# Altium PCB PCB1.PcbDoc
Units mil, origin at the board's own origin, x right, y up, seen from the top; angles counter-clockwise.
Board outline 2135.03 x 1285.03 mil, 2 copper layers (Top Layer, Bottom Layer); 58 components, 40 nets, 208 pads, 81 vias.
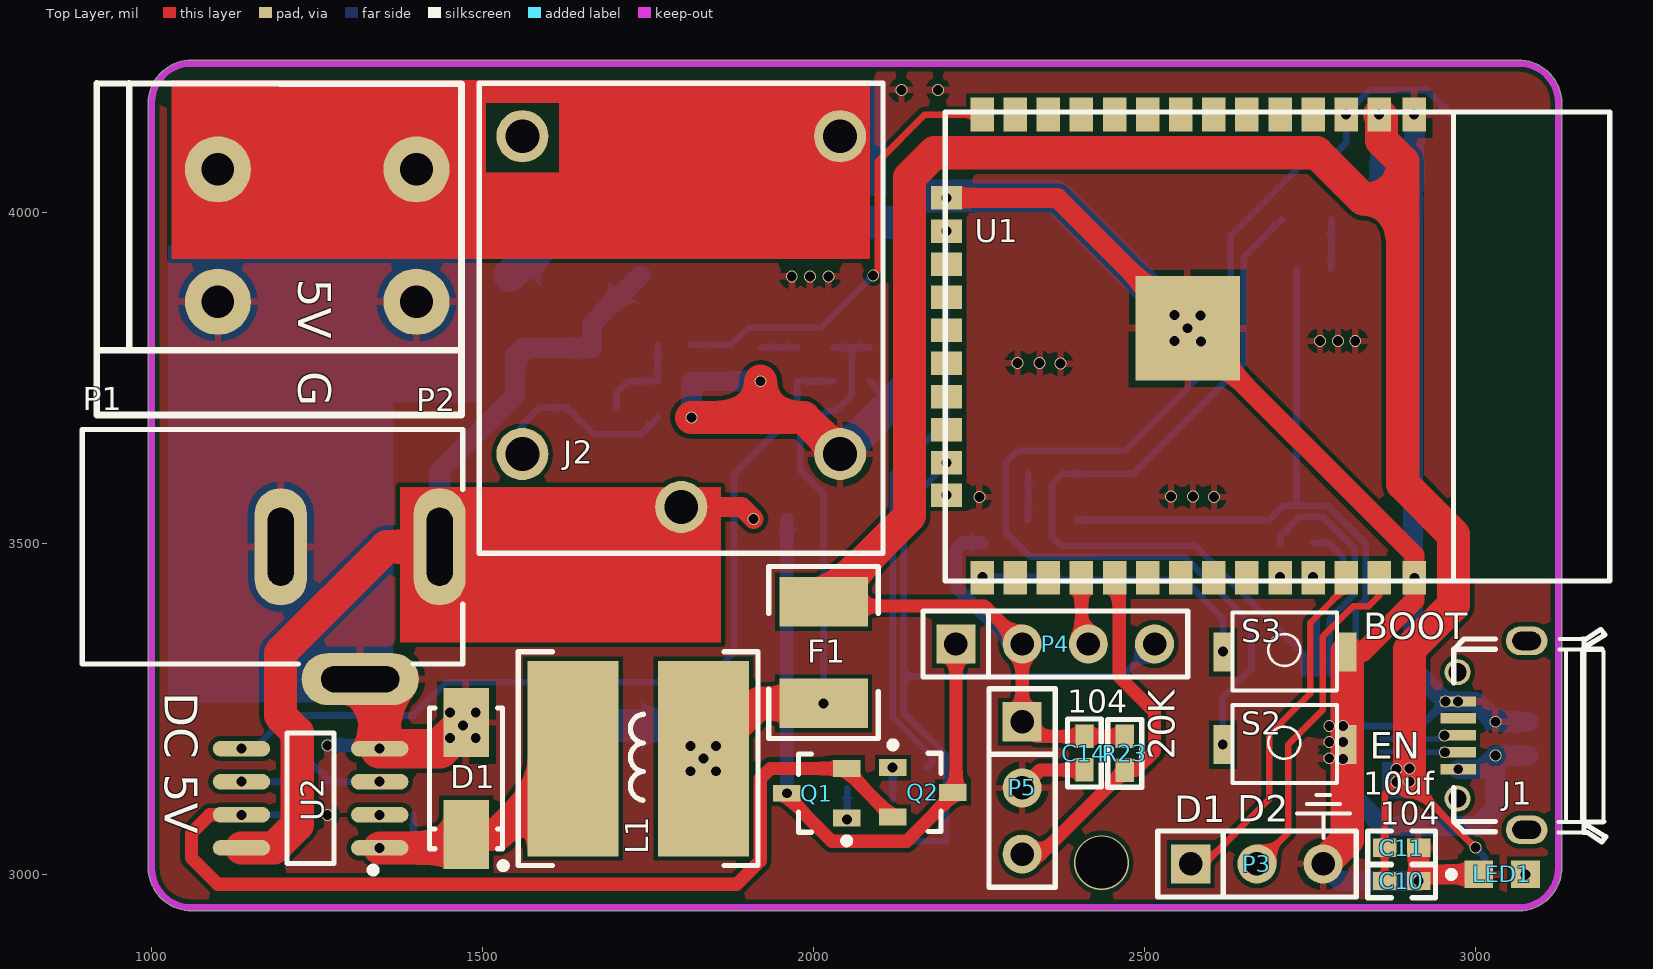
[diagram p0: Top Layer view]
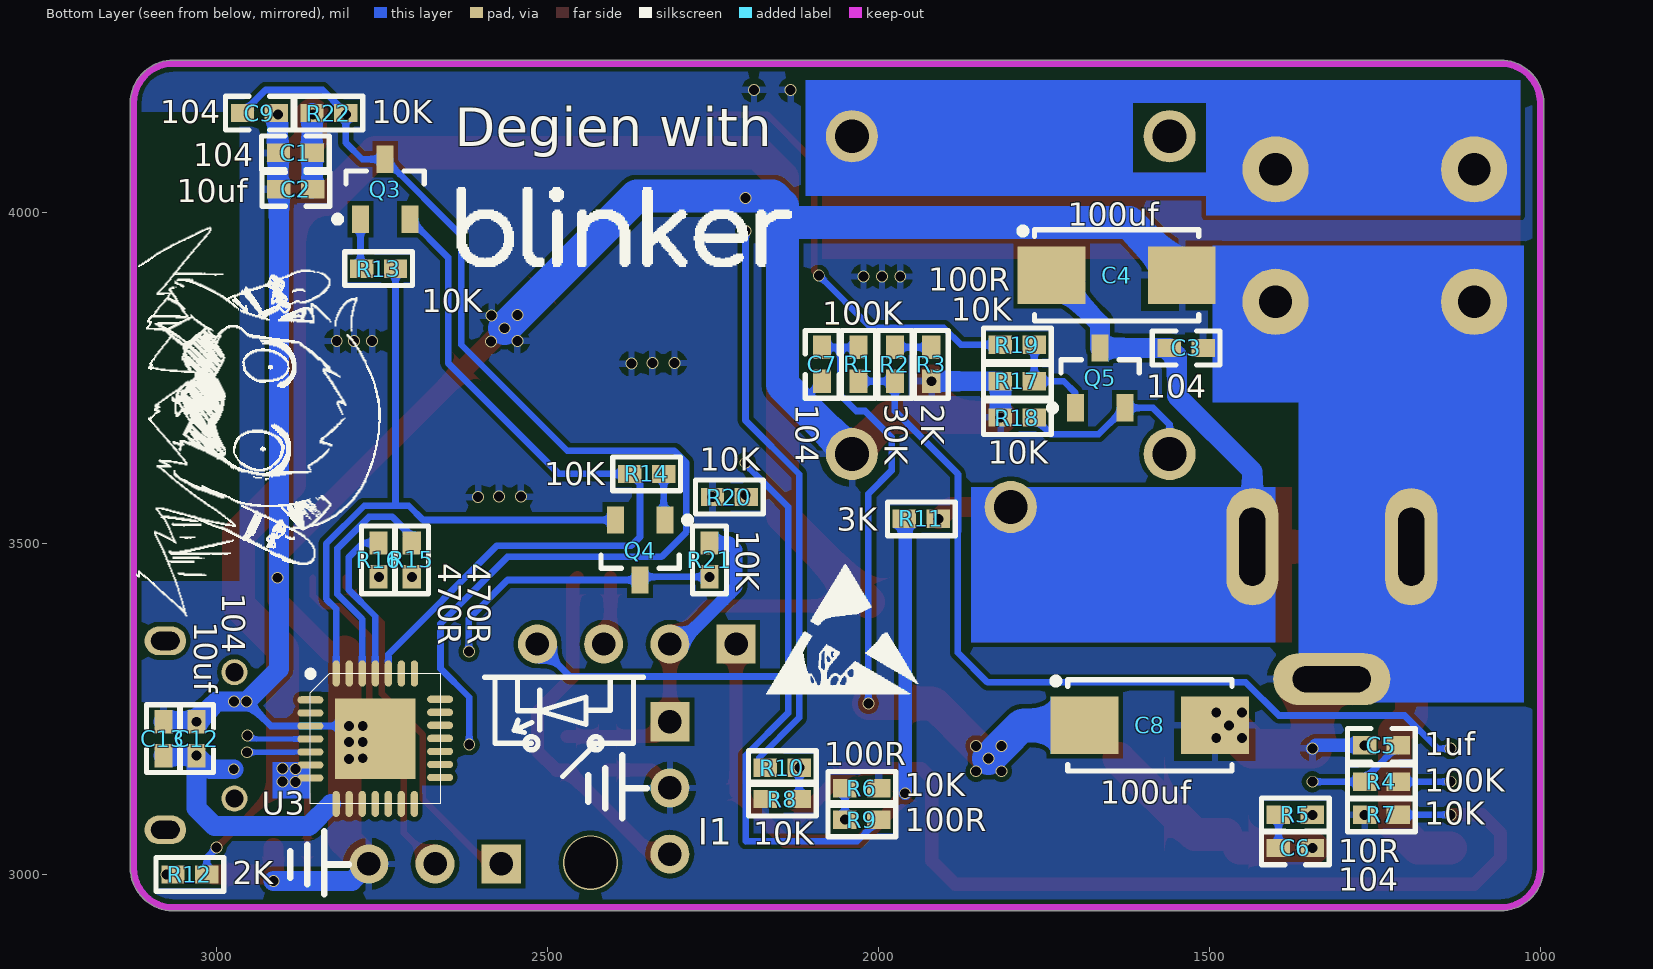
[diagram p1: Bottom Layer view, seen from below]
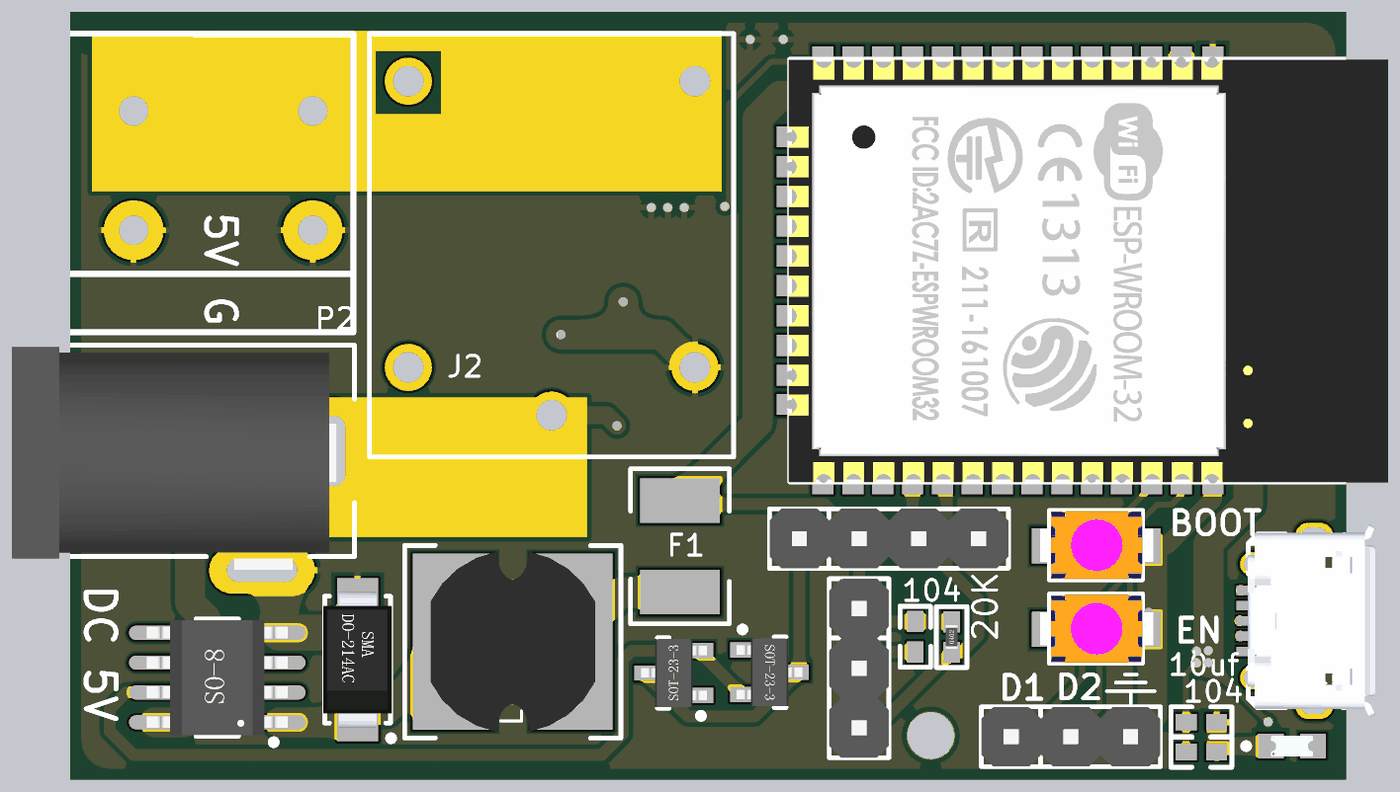
[diagram p2: 3D render of the assembled board from above, using the file's embedded part models]
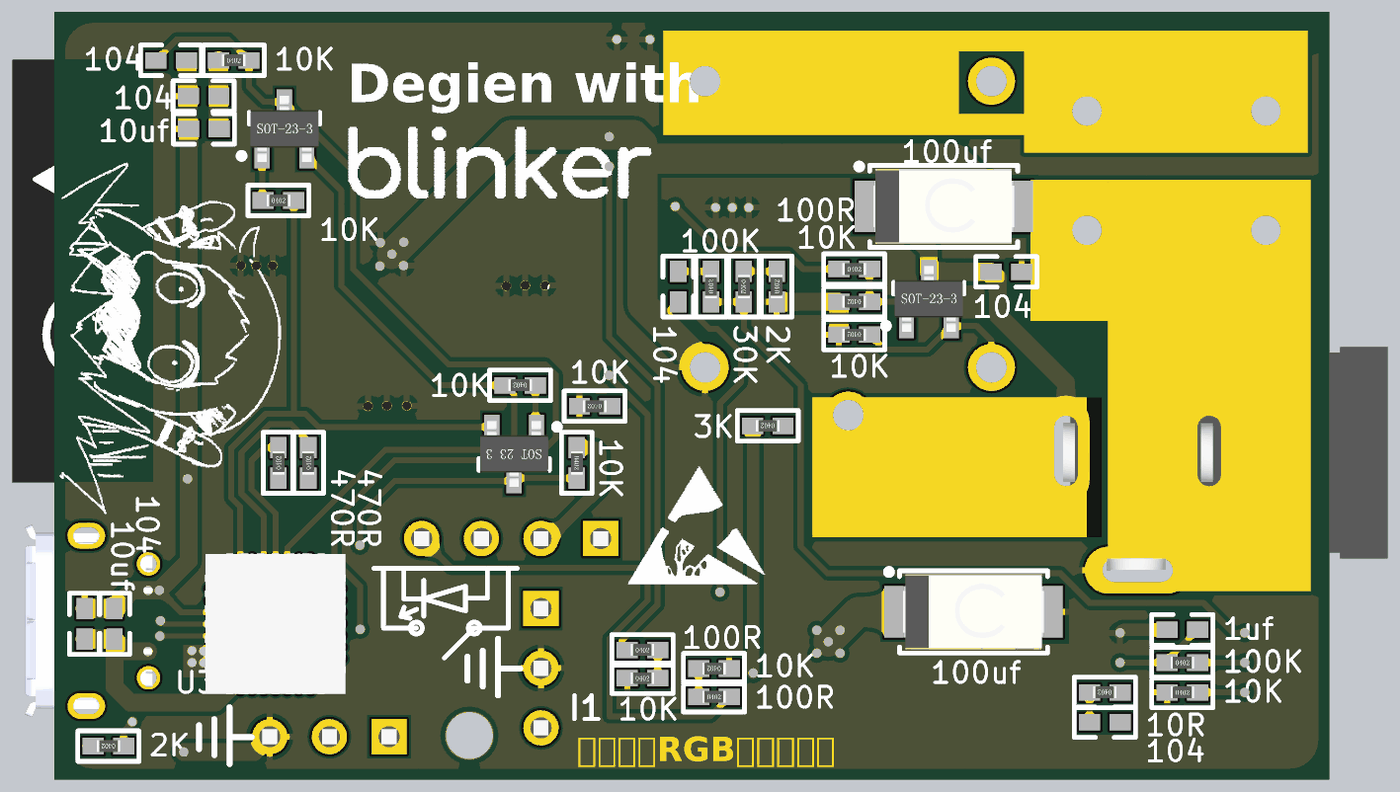
[diagram p3: 3D render of the assembled board from below, using the file's embedded part models]

## Layer stack, top to bottom
Top Solder: solder mask 0.4, Solder Resist, Dk 3.5
Top Layer: signal copper 1.4
Dielectric 1: dielectric 12.6, FR-4, Dk 4.8
Bottom Layer: signal copper 1.4
Bottom Solder: solder mask 0.4, Solder Resist, Dk 3.5

## Board outline
1060,2944.99 cw(c1060,3010) 994.99,3010 994.99,4165 cw(c1060,4165) 1060,4230.02 3065,4230.02 cw(c3065,4165) 3130.01,4165 3130.01,3005 cw(c3125,3005) 3129.65,3003.12 cw(c3065,3010) 3071.88,2945.35 cw(c3070,2950) 3070,2944.99

## Design rules (kind name [scope] priority, off if disabled: settings)
Clearance [All] p1: gap=7 ignorepadtopadclearanceinfootprint=FALSE
DiffPairsRouting [All] p1: maxlimit=10 minlimit=8 mostfreqgap=10 toplayer_minwidth=8 toplayer_maxwidth=15 toplayer_prefwidth=15 bottomlayer_minwidth=8 bottomlayer_maxwidth=15 bottomlayer_prefwidth=15 maxuncoupledlength=500
HoleSize [All] p1: absolutevalues=TRUE maxlimit=500 minlimit=1 maxpercent=80.000 minpercent=20.000
HoleToHoleClearance [All] p1: gap=0 allowstackedmicrovias=TRUE
MinimumSolderMaskSliver [All] p1: minsoldermaskwidth=0
PolygonConnect [All] p1: connectstyle=Relief reliefconductorwidth=10 reliefentries=4 polygonreliefangle="90 Angle" airgapwidth=10
RoutingVias [All] p1: holewidth=28 width=50 viastyle="Through Hole" minholewidth=28 minwidth=50 maxholewidth=28 maxwidth=50
SilkToSilkClearance [All] p1: silktosilkclearance=0
SilkToSolderMaskClearance [IsPad] p1: minsilkscreentomaskgap=0 clearancetoexposedcopper=TRUE
SolderMaskExpansion [All] p1: expansion=4
Width POWER [InNet('GND') Or InNet('5V_LED') Or InNet('5V_IN')] p1: maxlimit=250 minlimit=10 preferedwidth=30
Width [All] p2: maxlimit=400 minlimit=8 preferedwidth=10
24 further rules are at their usual default settings.

## Classes and differential pairs
differential pair D: +D_P -D_N

## Components (designator, comment, footprint, x,y, rotation, side; value= is the part's Value field where it differs from the comment)
C1 "104" CAPC1005[0402]S 2880.59,4090 r180 bottom
C2 "10uf" CAPC1005[0402]S 2880,4035 r180 bottom
C3 "104" CAPC1005[0402]S 1535,3795.28 r180 bottom
C4 "100uf" CAPT6032 1640,3905 r180 bottom
C5 "1uf" CAPC1005[0402]S 1240,3195 r0 bottom
C6 "104" CAPC1005[0402]S 1370,3040 r180 bottom
C7 "104" CAPC1005[0402]S 2085,3770.59 r270 bottom
C8 "100uf" CAPT6032 1590,3225.13 r180 bottom
C9 "104" CAPC1005[0402]S 2935,4150 r0 bottom
C10 "104" CAPC1005[0402]S 2888.23,2990.15 r180 top
C11 "10uf" CAPC1005[0402]S 2888.23,3040.15 r180 top
C12 "104" CAPC1005[0402]S 3030,3205 r270 bottom
C13 "10uf" CAPC1005[0402]S 3080,3205 r270 bottom
C14 "104" CAPC1005[0402]S 2409,3183.35 r270 top
D1 "SS54" SMA[DO-214AC] 1475,3145 r270 top
F1 "=Current" CAPC4532[1812]S 2015,3335 r270 top
J1 "USB_M" "1__Micro USB 牛角" 3025,3210 r270 top
J2 "RELAY" RELAY-HK3FF 1800,3555 r180 top
L1 "4.7UH" CD75 1735,3175 r180 top
LED1 "Red" LEDC1608(0603) 3040,3000 r0 top
P1 "Header 2" DC-5.5mm 1470,3495 r180 top
P2 "Header 2" KF142R_2P 1400,4065 r270 top
P3 "Header 3" HDR1X3 2569.68,3015.74 r0 top
P4 "Header 4" HDR1X4 2215,3348 r0 top
P5 "Header 3" HDR1X3 2315,3230.59 r270 top
Q1 "SS8050" SOT23 2004.72,3122.6 r180 top
Q2 "SS8050" SOT23 2165,3123.82 r0 top
Q3 "SS8050" SOT23 2745,4035 r90 bottom
Q4 "SS8050" SOT23 2360,3490 r270 bottom
Q5 "SS8050" SOT23 1665,3750 r90 bottom
R1 "100K" RESC1005[0402]S 2030,3770.59 r90 bottom
R2 "30K" RESC1005[0402]S 1975,3770.59 r270 bottom
R3 "2K" RESC1005[0402]S 1920,3770.59 r90 bottom
R4 "100K" RESC1005[0402]S 1240,3140 r180 bottom
R5 "10R" RESC1005[0402]S 1370,3090 r0 bottom
R6 "10K" RESC1005[0402]S 2025,3130 r0 bottom
R7 "10K" RESC1005[0402]S 1240,3090 r180 bottom
R8 "10K" RESC1005[0402]S 2145,3113.82 r180 bottom
R9 "100R" RESC1005[0402]S 2025,3082.6 r180 bottom
R10 "100R" RESC1005[0402]S 2145,3161.22 r180 bottom
R11 "3K" RESC1005[0402]S 1935,3537.09 r0 bottom
R12 "2K" RESC1005[0402]S 3039.99,3000 r0 bottom
R13 "10K" RESC1005[0402]S 2755,3915 r180 bottom
R14 "10K" RESC1005[0402]S 2350,3605 r0 bottom
R15 "470R" RESC1005[0402]S 2705,3475 r90 bottom
R16 "470R" RESC1005[0402]S 2755,3475 r90 bottom
R17 "10K" RESC1005[0402]S 1790,3745 r0 bottom
R18 "10K" RESC1005[0402]S 1790,3690 r0 bottom
R19 "100R" RESC1005[0402]S 1790,3800 r180 bottom
R20 "10K" RESC1005[0402]S 2225,3570 r0 bottom
R21 "10K" RESC1005[0402]S 2255,3475 r270 bottom
R22 "10K" RESC1005[0402]S 2830,4150 r180 bottom
R23 "20K" RESC1005[0402]S 2470,3182.87 r90 top
S2 "SW-PB" button 2633.05,3255.92 r0 top
S3 "SW-PB" button 2633.05,3395.92 r0 top
U1 "ESP_WROOM_32" ESP32 2198.86,4151.77 r270 top
U2 "MP2482" SOIC-8 1240,3115 r180 top
U3 "CP2102" QFN_28 2760,3205 r180 bottom

## Footprints (in the part's own frame and the unit in brackets; to place one, negate y for a bottom-side part, rotate by r counter-clockwise, add the part's x,y. Pads: shape width x height; smd on the part's side, far side on the other; paste and mask are expansions set on the pad)
"1__Micro USB 牛角" [mm]
  oval 1.1x1.6 hole 0.7 slot 1.1 at 90 deg: 0(-3.625,1.325) 0(3.625,1.325)
  round 1 hole 0.7: 0(-2.425,-1.325) 0(2.425,-1.325)
  rect 0.4x1.35 smd: 1(1.3,-1.3) 2(0.65,-1.3) 3(0,-1.3) 4(-0.65,-1.3) 5(-1.3,-1.3)
  silkscreen extent -4.06,-1.48 4.09,4.36, body extent -4.1,-1.51 4.1,3.92, height 2.62
button [mil]
  rect 27.56x59.06 smd: 1(-15,-60) 2(173,-60)
  silkscreen extent 0,-118 157,0, body extent -14,-116 174,-2, height 83
CAPC1005[0402]S [mm] "Chip Capacitor,Silkscreen border, 2-Leads, Body 1.00x0.50mm, IPC Medium Density"
  rect 0.9x0.7 smd: 1(-0.65,0) 2(0.65,0)
  silkscreen extent -1.3,-0.65 1.3,0.65, body extent -0.55,-0.3 0.55,0.3, height 0.6
CAPC4532[1812]S [mm] "Chip Capacitor, Silkscreen Border,2-Leads, Body 4.50x3.20mm, IPC Medium Density"
  rect 1.9x3.4 smd: 1(-1.95,0) 2(1.95,0)
  silkscreen extent -3.3,-2.1 3.3,2.1, body extent -2.4,-1.7 2.4,1.7, height 1.35
CAPT6032 [mm] "Molded Tantalum Capacitor, 2-Leads, Body 6.00x3.20mm, IPC Medium Density"
  rect 2.6x2.2 smd: 1(-2.5,0) 2(2.5,0)
  silkscreen extent -3.73,-1.75 3.15,1.82, body extent -3,-1.6 3,1.6, height 2.6
CD75 [mm]
  rect 3.5x7.5 smd: 1(-2.5,0) 2(2.5,0)
  silkscreen extent -4.6,-4.1 4.6,4.1, body extent -3.5,-3.84 3.5,3.84, height 6.3
DC-5.5mm [mm] "DC母座5.5mm"
  oval 2x4.5 hole 1 slot 3 at 90 deg: 1(0.889,0) 2(6.985,0)
  oval 4.5x2 hole 1 slot 3 at 0 deg: 3(3.937,5.08)
  silkscreen extent 0,-4.5 14.6,4.5, body extent 0.76,-4.42 14.59,5.08, height 11
ESP32 [mm]
  rect 1.3x0.9 smd: 1(0.102,18) 2(0.102,16.655) 3(0.102,15.385) 4(0.102,14.115) 5(0.102,12.845) 6(0.102,11.575) 7(0.102,10.305) 8(0.102,9.035) 9(0.102,7.765) 10(0.102,6.495) 11(0.102,5.225) 12(0.102,3.955) 13(0.102,2.685) 14(0.102,1.415) 25(17.873,1.415) 26(17.873,2.685) 27(17.873,3.955) 28(17.873,5.225) 29(17.873,6.495) 30(17.873,7.765) 31(17.873,9.035) 32(17.873,10.305) 33(17.873,11.575) 34(17.873,12.845) 35(17.873,14.115) 36(17.873,15.385) 37(17.873,16.655) 38(17.873,18)
  rect 0.9x1.2 smd: 15(3.3,0.045) 16(4.57,0.045) 17(5.84,0.045) 18(7.11,0.045) 19(8.38,0.045) 20(9.65,0.045) 21(10.92,0.045) 22(12.19,0.045) 23(13.46,0.045) 24(14.7,0.045)
  rect 4x4 smd: 39(8.3,9.3)
  silkscreen extent 0,0 18,25.5, body extent 0.02,-0.05 18.02,25.45, height 2.91
HDR1X3 [mm] "Connector; Header; 3 Position"
  rect 1.5x1.5 hole 0.9: 1(0,0)
  round 1.5 hole 0.9: 2(2.54,0) 3(5.08,0)
  silkscreen extent -1.27,-1.27 6.35,1.27, body extent -1.27,-1.27 6.35,1.27, height 8.54
HDR1X4 [mm] "Connector; Header; 4 Position"
  rect 1.5x1.5 hole 0.9: 1(0,0)
  round 1.5 hole 0.9: 2(2.54,0) 3(5.08,0) 4(7.62,0)
  silkscreen extent -1.27,-1.27 8.89,1.27, body extent -1.27,-1.27 8.89,1.27, height 8.54
KF142R_2P [mil]
  round 100 hole 49.37: 1(0,0) 1(0,-300) 2(200,0) 2(200,-300)
  silkscreen extent -130,-483 371,68, body extent -129,-483 371,69, height 394
LEDC1608(0603) [mm] "LED,Chip;1.60mm L X 0.80mm W X 0.80mm H"
  rect 1.1x1.05 smd: A(0.9,0) C(-0.9,0)
  silkscreen extent -2.07,-0.12 -1.83,0.12, body extent -0.9,-0.45 0.9,0.45, height 0.8
QFN_28 [mm] "CP2102"
  oval 1x0.28 smd: 1(-2.489,1.489) 2(-2.489,0.989) 3(-2.489,0.489) 4(-2.489,-0.011) 5(-2.489,-0.511) 6(-2.489,-1.011) 7(-2.489,-1.511) 15(2.489,-1.489) 16(2.489,-0.989) 17(2.489,-0.489) 18(2.489,0.011) 19(2.489,0.511) 20(2.489,1.011) 21(2.489,1.511)
  rect 3.1x3.1 smd: 3(0,0)
  oval 0.28x1 smd: 8(-1.501,-2.502) 9(-1.001,-2.502) 10(-0.501,-2.502) 11(-0.001,-2.502) 12(0.499,-2.502) 13(0.999,-2.502) 14(1.499,-2.502) 22(1.501,2.502) 23(1.001,2.502) 24(0.501,2.502) 25(0.001,2.502) 26(-0.499,2.502) 27(-0.999,2.502) 28(-1.499,2.502)
  silkscreen extent -2.6,-2.5 2.5,2.6, body extent -3,-3 3,3, height 1.02
RELAY-HK3FF [mm] "继电器"
  round 2 hole 1.3: 1(-6.096,-2.032) 2(-6.096,-14.224) 3(6.096,-14.224) 4(6.096,-2.032) 5(0,0)
  silkscreen extent -7.75,-16.26 7.75,1.78, body extent -7.75,-16.26 7.75,1.78, height 12
RESC1005[0402]S [mm] "Silkscreen Outside, Chip Resistor, 2-Leads, Body 1.05x0.54mm, IPC Medium Density"
  rect 0.9x0.7 smd: 1(-0.65,0) 2(0.65,0)
  silkscreen extent -1.3,-0.65 1.3,0.65, body extent -0.5,-0.25 0.5,0.25, height 0.35
SMA[DO-214AC] [mm] "Molded Diode, 2-Leads, Body 5.00x2.49mm, IPC Medium Density"
  rect 2.65x1.75 smd: A(-2.15,0) K(2.15,0)
  silkscreen extent -2.7,-1.4 3.47,1.55, body extent -2.9,-1.46 2.91,1.46, height 2.3
SOIC-8 [mm]
  oval 2.2x0.6 smd: 1(-2.654,1.905) 2(-2.654,0.635) 3(-2.654,-0.635) 4(-2.654,-1.905) 5(2.654,-1.905) 6(2.654,-0.635) 7(2.654,0.635) 8(2.654,1.905)
  silkscreen extent -2.53,-2.5 0.9,2.88, body extent -3,-2.45 3,2.45, height 1.7
SOT23 [mm] "SOT23, 3-Leads, Body 2.90x2.40mm, Pitch 0.95mm, IPC Medium Density"
  rect 1.05x0.65 smd: 1(-1.15,0.95) 2(-1.15,-0.95) 3(1.15,0)
  silkscreen extent -1.28,-1.5 0.7,1.95, body extent -1.4,-1.45 1.4,1.45, height 1.2

## Part data
C1 C2 C3 C5 C6 C7 C9 C10 C11 C12 C13 C14: library part "Cap Chip 2", "Chip Capacitor, Silkscreen Border", Tolerance=Y5V, Voltage=63V, Price(RMB)=0.000, Published=8-Jun-2000, Publisher="Altium Limited", Revision="July-2002: Re-released for DXP Platform."
C4 C8: library part "Cap Tan", "Molded (Tantalum) Capacitor, 2-Leads,", Voltage=16V, Price(RMB)=0.000, Published=8-Jun-2000, Publisher="Altium Limited", Revision="July-2002: Re-released for DXP Platform."
D1: library part "Diode TVS Uni-Dir", "TRANSIENT VOLTAGE  SUPPRESSOR DIODE", Imax=500mA, PartNumber=SS54, Price(RMB)=0.000, Published=8-Jun-2000, Publisher="Altium Limited"
F1: library part "Fuse Chip", "Fuse", Voltage=6V, Imax=3A, Price(RMB)=0.000, Published=8-Jun-2000, Publisher="Altium Limited", Revision="July-2002: Re-released for DXP Platform."
J1: "MicroUSB接口"
J2: library part RELAY-HK3FF, "单刀双掷继电器"
L1: library part "Ind Power", "Power Inductor, Ferrite-Core", DCR=.5m, Imax=50mA, Price(RMB)=0.000, Published=8-Jun-2000, Publisher="Altium Limited", Revision="July-2002: Re-released for DXP Platform."
LED1: library part "LED Chip", "Typical Chip LED", Color=Red, Price(RMB)=0.00, Published=8-Jun-2000, Publisher="Altium Limited", Revision="July-2002: Re-released for DXP Platform."
P1 P2: "Header, 2-Pin", LatestRevisionDate=17-Jul-2002, LatestRevisionNote="Re-released for DXP Platform.", Price(RMB)=0.00, Publisher="Altium Limited"
P3 P5: "Header, 3-Pin", LatestRevisionDate=17-Jul-2002, LatestRevisionNote="Re-released for DXP Platform.", Price(RMB)=0.00, Publisher="Altium Limited"
P4: "Header, 4-Pin", LatestRevisionDate=17-Jul-2002, LatestRevisionNote="Re-released for DXP Platform.", Price(RMB)=0.00, Publisher="Altium Limited"
Q1 Q2 Q3 Q4 Q5: library part "NPN SMC SOT-23", "NPN Bipolar Transistor", PartNumber=SS8050, Price(RMB)=0.000, Published=8-Jun-2000, Publisher="Altium Limited", Revision="July-2002: Re-released for DXP Platform."
R1 R2 R3 R4 R5 R6 R7 R8 R9 R10 R11 R12 R13 R14 R15 R16 R17 R18 R19 R20 R21 R22 R23: library part "Res Chip 2p 2", "Chip Resistor, Border Silkscreen On PCB Library", Tolerance=5%, Price(RMB)=0.000, Published=8-Jun-2000, Publisher="Altium Limited", Revision="July-2002: Re-released for DXP Platform."
S2 S3: "Switch", Price(RMB)=0.000, Published=24-Mar-1999, Publisher="Altium Limited", Revision="July-2002: Re-released for DXP Platform."

## Via types
v1: diameter 18, hole 15, Top Layer to Bottom Layer, tented both sides, 80 vias
v2: diameter 82.68, hole 78.74, Top Layer to Bottom Layer, tented both sides, 1 vias

## Nets (pads, with @x,y where several pads share a name; then routed paths per layer and width w, separated by ;. In a path a pad name is that pad's centre, name@x,y a point inside that pad or via, vN(x,y) a via of type N, cw(c..) or ccw(c..) an arc to the next point about the centre after c; other vN are vias at no path point)
3V3: C1.2 C2.2 C10.2 C11.2 C14.1 F1.1 P4.2 P5.1 R12.1 R21.1 R22.1 R23.2 U1.2 U3.6 U3.7 | length 3874.2
  Top Layer w10: C10.2 C11.2 2862.63,3121.82 v1(2880.37,3139.56) ; v1(2900,3140) 2999.33,3040.67 v1(3000,3040.67)
  Top Layer w20: F1.1 2015,3405.52 2257.48,3405.52 P4.2 P5.1 2337.13,3208.46 R23.2
  Top Layer w50: F1.1 2145.02,3541.79 2145.02,4052.82 2182.38,4090.18 2760,4090.18 2830.18,4020 2890,4020 ; U1.2 2857.8,4144.54 2857.8,4108.93 2890,4076.73 2890,4020 ; v1(2900,3140) 2900,3340 2966.57,3406.57 2966.57,3513.43 2890,3590 2890,4020
  Bottom Layer w10: C2.2 C2.2@2855.59,4036.18 ; v1(3000,3040.67) 3000,3040 3014.4,3025.6 R12.1
  Bottom Layer w20: R21.1 2225.09,3500.59 2215,3490.5 2215,3434.21 2224.22,3424.99 2224.22,3424.65 2234.18,3414.69 2234.52,3414.69 2301.21,3348 P4.2
  Bottom Layer w30: C2.2@2855.59,4036.18 R22.1
  other v1: 2880.37,3159.24 2900.06,3160.13 2854.26,4147.77
5V_IN: C3.1 C4.1 J2.5 P1.1 Q5.3 R11.1 U2.8 | length 1389.8
  Top Layer w30: J2.5 1891.5,3555 v1(1909.41,3537.09)
  Top Layer w50: U2.8 1185,3040 1220,3075 1220,3214.27 1194.42,3239.85 1194.42,3334.42 1355,3495 P1.1
  Bottom Layer w30: P1.1 1435,3608.89 1549.13,3723.01 1549.13,3783.81 C3.1 Q5.3 1665,3831.57 C4.1
5V_LED: J2.2 P2.1
5V_USB: C12.2 C13.2 J1.1 U3.8 | length 422.4
  Bottom Layer w30: 2826.94,3106.5 2860.59,3072.84 3002.84,3072.84 3030,3100 v1(3030,3179.41) ; v1(2973.82,3158.82) 3009.41,3158.82 v1(3030,3179.41) ; C13.2 v1(3030,3179.41)
D_N: J1.2 U3.5 | length 96
  Bottom Layer w8: U3.5 2881.68,3184.87 2881.81,3185 2882.26,3184.56 v1(2953.8,3184.56)
D_P: J1.3 U3.4 | length 97
  Bottom Layer w8: U3.4 2947.27,3204.56 v1(2952.72,3210)
DTR: Q4.2 R13.2 U3.28 | length 1030.9
  Bottom Layer w10: Q4.2 2687.79,3535.28 2709.51,3557 2727.09,3557 ; R13.2 2729.41,3559.32 2727.09,3557 ; U3.28 2819,3400.92 2834.28,3416.19 2834.28,3499.45 2776.72,3557 2727.09,3557
EN: C9.2 Q3.3 R22.2 S2.1 U1.3 | length 1775.5
  Bottom Layer w10: v1(2618.05,3195.92) 2618.05,3267.49 2661.4,3310.84 2661.4,3378.6 2560.35,3479.65 2327.79,3479.65 2290,3517.44 2290,3621.85 2308.15,3640 2470,3640 2630,3800 2630,3965.28 Q3.3 2779.69,4080.28 2804.41,4105 R22.2 2839.41,4185 2925.59,4185 C9.2
  other v1: 2804.26,4147.77
GND: C1.1 C2.1 C3.2 C4.2 C5.2 C7.2 C8.2 C9.1 C10.1 C11.1 C12.1 C13.1 C14.2 D1.A J1.5 J2.1 LED1.C P1.2 P1.3 P2.2 P3.3 P5.2 R3.1 R6.1 R7.1 R8.1 R17.2 R18.2 R20.2 S2.2 S3.2 U1.1 U1.15 U1.38 U1.39 U2.4 U3.3 | length 5526.1
  Top Layer w20: P5.2 2342.17,3157.76 C14.2
  Top Layer w30: v1(2200.64,4021.85) 2368.15,4021.85 v1(2565,3825) 2907.52,3482.48 v1(2907.52,3448.11) 2907.52,3413.99 2829.45,3335.92 S3.2 ; C11.1 v1(2913.82,2990.15) 2923.66,3000 LED1.C
  Top Layer w50: P1.3 P1.3@1344.49,3265.51 ; v1(1815.59,3690) 1920,3690 ; v1(1920,3745) 1920,3690 ; J2.1 1985,3690 1920,3690 ; P3.3 2806.05,3052.11 S2.2 S3.2
  Top Layer w60: P1.3@1344.49,3265.51 v1(1344.49,3190) 1435.35,3190 v1(1470.35,3225) D1.A
  Bottom Layer w10: C7.2 2117.2,3712.8 2117.8,3712.8 ; U3.3@2779.24,3224.24 2858,3224.24 2917.74,3224.24 v1(2954.69,3261.18)
  Bottom Layer w20: v1(1265.59,3195) 1339.49,3195 v1(1344.49,3190)
  Bottom Layer w30: v1(1815.59,3690) R17.2 v1(1920,3745) ; P3.3 2795.27,2990.15 v1(2913.82,2990.15) ; v1(2907.2,4147.77) 2907.2,4036.61 C2.1 2905.59,3310.28 v1(2954.69,3261.18) v1(2973.5,3261.18) 2999.41,3261.18 v1(3030,3230.59) C13.1
  Bottom Layer w50: C4.2 1621.57,3985 2145.02,3985 ; J2.1 2117.8,3712.8 2145.02,3740.02 2145.02,3985 ; v1(2565,3825) 2365,4025 2159.82,4025 2145.02,4010.2 2145.02,3985
  other v1: 1265.59,3090 2778.93,3175.44 2800,3174.56 2778.93,3200 2800,3200 1450.72,3205.76 1489.59,3205.76 2778.93,3224.24 2800,3224.24 1450.72,3244.24 1489.59,3244.24 2250.59,3570 2605,3569.93 2540,3570.86 2573.35,3570.86 2373.15,3771.47 2308.15,3772.4 2341.5,3772.4 2585,3805 2545.37,3805.76 2764.69,3805.76 2792.17,3805.76 2818.19,3805.76 2584.24,3844.24 2545,3845 1966.9,3903.19 1994.41,3903.19 2022.33,3903.19 2132.49,4185 2187.92,4185
IO0: Q4.3 R21.2 S3.1 U1.25 | length 439.1
  Bottom Layer w10: v1(2255,3449.41) 2355.31,3449.41 Q4.3 2560.05,3444.72 2618.56,3386.21 v1(2618.56,3336.83)
IO2: R20.1 U1.24
  other v1: 2200.64,3573.03
IO5: P5.3 R23.1 U1.29 | length 551.4
  Top Layer w20: P5.3 2343.31,3030.59 R23.1 2486.06,3157.28 2515,3186.22 2515,3245 2461.53,3298.47 2461.53,3441.16 U1.29
IO17: P4.3 U1.28 | length 104.4
  Top Layer w20: U1.28 2404.57,3358.43 P4.3
LED_DATA0: P3.1 U1.36 | length 541.7
  Top Layer w10: P3.1 2590.22,3015.74 2688.24,3113.77 2688.24,3211.13 2750.21,3273.1 2750.21,3380.21 2804.57,3434.57 U1.36
LED_DATA1: P3.2 U1.37 | length 522.6
  Top Layer w10: P3.2 2717.17,3063.23 2717.17,3196.69 2769.05,3248.57 2769.05,3359.2 2814.93,3405.07 2838.3,3405.07 2854.57,3421.35 U1.37
LED_POWER: R19.1 U1.14 | length 679.7
  Top Layer w10: v1(2090,3905) 2097,3912 2097,4077 2167.77,4147.77 U1.14
  Bottom Layer w10: R19.1 1875.35,3800 1901.25,3825.9 2010.9,3825.9 v1(2090,3905)
NetC6_1: C6.1 R5.2 | length 50
  Bottom Layer w10: C6.1 R5.2
NetC6_2: C6.2 D1.K L1.2 U2.1 | length 348
  Top Layer w10: D1.K@1454.65,3040 D1.K
  Top Layer w50: v1(1344.49,3040) D1.K@1454.65,3040 ; D1.K 1521.93,3060.35 L1.2
NetC7_1: C7.1 C8.1 F1.2 L1.1 R1.2 | length 1029.3
  Top Layer w50: v1(1833.43,3175) v1(1852.67,3194.24) 1916.65,3258.23 v1(2015,3258.23)
  Bottom Layer w10: v1(2015,3258.23) 2015,3575 1980,3610 1980,3660 2020,3700 2033.47,3700 2057.5,3724.03 2057.5,3796.18 ; R1.2 2057.5,3796.18 ; C7.1 2057.5,3796.18
  Bottom Layer w50: C8.1 1783.3,3225.13 1813.99,3194.44 v1(1833.43,3175)
  other v1: 1813.8,3155.76 1852.67,3155.76 1813.8,3194.24
NetJ2_4: J2.4 Q5.2 R18.1 | length 286.3
  Bottom Layer w10: J2.4 1560,3679.72 1585,3704.72 Q5.2 1667.32,3665 1739.41,3665 R18.1
NetLED1_A: LED1.A R12.2
  other v1: 3075.11,2999.99
NetP4_1: P4.1 Q1.3 Q2.3 R11.2 | length 956.3
  Top Layer w10: Q2.3@2210.28,3119.46 Q2.3@2215,3124.19
  Top Layer w20: v1(1959.45,3122.6) 1959.45,3118.24 2027.69,3050 2140.81,3050 Q2.3@2210.28,3119.46 ; Q2.3@2215,3124.19 P4.1
  Bottom Layer w20: v1(1959.45,3122.6) R11.2@1959.45,3536.14
NetQ1_1: Q1.1 R6.2 R9.1 | length 47.4
  Bottom Layer w10: v1(2050.59,3082.6) R6.2
NetQ2_1: Q2.1 R8.2 R10.2 | length 47.4
  Bottom Layer w10: R8.2 v1(2119.41,3161.22)
NetQ3_1: Q3.1 R13.1 | length 75.5
  Bottom Layer w10: R13.1 2782.4,3916.81 Q3.1
NetQ4_1: Q4.1 R14.1 | length 70.5
  Bottom Layer w10: Q4.1 2324.41,3537.09 R14.1
NetQ5_1: Q5.1 R17.1 R19.2 | length 147
  Bottom Layer w10: Q5.1 1702.4,3727.4 1720,3745 R17.1 R19.2
NetR1_1: R1.1 R2.2 U2.5 | length 1309.2
  Bottom Layer w10: v1(1135.51,3190) 1155,3190 1205,3240 1394.99,3240 1444.99,3290 1835,3290 1880,3335 1880,3518.03 1879.69,3518.34 1879.69,3604.69 1975,3700 R2.2 R1.1
NetR2_1: R2.1 R3.2 | length 55
  Bottom Layer w10: R3.2 R2.1
NetR4_2: R4.2 U2.6 | length 78.9
  Bottom Layer w10: v1(1135.51,3140) R4.2
NetR5_1: R5.1 U2.2
  other v1: 1344.49,3090
NetR15_2: R15.2 U3.26 | length 358.8
  Bottom Layer w10: R15.2 2705,3510.87 2734.13,3540 2769.68,3540 2817.28,3492.41 2817.28,3423.23 2779.63,3385.59 U3.26
NetR16_2: R16.2 U3.25 | length 246.3
  Bottom Layer w10: R16.2 2778.41,3500.59 2800.28,3478.72 2800.28,3430.28 2759.94,3389.94 U3.25
P_BTN: P4.4 R9.2 U1.23 | length 1238
  Bottom Layer w10: R9.2 2032.01,3050 2200,3050 2200.31,3050.31 2200.31,3179.97 2136.41,3243.87 2136.41,3299 ; v1(2200.64,3621.85) 2200.64,3619.7 2136.41,3555.47 2136.41,3299 ; P4.4 2466,3299 2136.41,3299
P_EN: Q1.2 Q2.2 R7.2 U2.7 | length 1457.3
  Top Layer w10: Q1.2@2050,3156.14 Q1.2
  Top Layer w20: v1(1135.51,3090) 1087.72,3090 1060,3062.28 1060,3025 1100,2985 1884,2985 1919.32,3020.32 1919.32,3144.32 1935,3160 Q1.2 ; Q1.2@2050,3156.14 Q2.2
  Bottom Layer w10: v1(1135.51,3090) R7.2
P_HOLD: R10.1 U1.16 | length 873.3
  Bottom Layer w10: R10.1 2180,3170.63 2180,3176.24 2119.41,3236.83 2119.41,3604.41 2200.64,3685.64 v1(2200.64,3971.85)
RTS: Q3.2 R14.2 U3.24 | length 1169.4
  Bottom Layer w10: Q3.2 2650,3932.13 2650,3772.4 2482.6,3605 R14.2 2360,3589.41 2360,3509.68 2373.03,3496.65 2576.15,3496.65 2740.26,3332.54 U3.24
RXD0: R15.1 U1.34
  other v1: 2704.69,3449.41
TXD0: R16.1 U1.35
  other v1: 2754.69,3449.41
VCC: C5.1 R4.1 U2.3 | length 155.1
  Bottom Layer w10: C5.1 1265.59,3143.82 R4.1 v1(1344.49,3140)
pads on no net: J1.0 J1.4 J2.3 U1.4 U1.5 U1.6 U1.7 U1.8 U1.9 U1.10 U1.11 U1.12 U1.13 U1.17 U1.18 U1.19 U1.20 U1.21 U1.22 U1.26 U1.27 U1.30 U1.31 U1.32 U1.33 U3.1 U3.2 U3.9 U3.10 U3.11 U3.12 U3.13 U3.14 U3.15 U3.16 U3.17 U3.18 U3.19 U3.20 U3.21 U3.22 U3.23 U3.27
copper on no net:
  other v2: 2435,3017.72

## Polygon pours and split planes (outlines as drawn)
GND on Top Layer (solid, remove dead copper, pour order 8): 3089.5,4225 3117.5,4197 3117.5,4187.5 3125,4180 3125,4151.77 2966.57,4151.77 2966.57,3443.11 3125,3443.11 3125,2988.23 3105,2968.23 3105,2965.74 3102.08,2965.74 3086.34,2950 1035,2950 1010,2975 1010,2980.15 1000,2990.15 1000,4189.77 1020,4209.77 1020,4210 1030,4220 1045,4220 1050,4225
no net on Top Layer "Top Layer-No Net" (solid, pour order 0): 1385,3659.08
GND on Bottom Layer (solid, remove dead copper, pour order 10): 3085,4225 3099,4211 3103.5,4211 3125,4189.5 3125,4151.77 2965,4151.77 2965,3443.11 3125,3443.11 3125,2988.23 3100,2963.23 3100,2958.66 3095,2958.66 3086.34,2950 1040,2950 1015,2975 1010,2975 1010,2980.15 1000,2990.15 1000,4189.77 1030.23,4220 1045,4220 1050,4225

## Keep-outs
Keep-Out Layer:
  lines w10: 3065,2950 ccw(c3065,3010) 3125,3010 ; 3070,2950 1060,2950 cw(c1060,3010) 1000,3010 1000,4165 cw(c1060,4165) 1060,4225 3065,4225 cw(c3065,4165) 3125,4165 3125,3005

## Other copper
Top Layer:
  rectangle net 5V_LED: 1490,4165 1630,4200
  rectangle net 5V_LED: 1495,3930 1625,4060
  rectangle net 5V_LED: 1030,3930 1505,4200
  rectangle net 5V_LED: 1615,3930 2085,4200
  rectangle net 5V_IN: 1375,3350 1860,3585
Bottom Layer:
  rectangle net 5V_IN: 1400,3350 1860,3585
  rectangle net 5V_LED: 1495,4025 1625,4060
  rectangle net 5V_LED: 1495,4165 1621.57,4200
  rectangle net 5V_LED: 1615,4025 2110,4200
  rectangle net 5V_LED: 1030,3995 1505,4200
  rectangle net 3V3: 2858.25,3115 2915,3170
  rectangle net GND: 1360,3712.8 1495,3950
  rectangle net GND: 1025,3260 1365,3950

## Silkscreen, mask and mechanical layers (free items; w line width, h text height)
Top Overlay:
  lines w6: 2730,3092.06 2810,3092.06 ; 2745,3106.6 2795,3106.6 ; 2760,3120 2780,3120 ; 2770,3054.74 2770,3091.79
  text "5V" at 1221.77,3900 h50 r270
  text "G" at 1221.77,3760 h50 r270
  text "BOOT" at 2830,3355 h40
  text "DC 5V" at 1020,3275 h50 r270
  text "EN" at 2840,3175 h40
  text "D2" at 2640,3079.82 h40
  text "D1" at 2545,3079 h40
Bottom Overlay:
  drawing of 3966 lines, arcs and shapes, not listed
  text "Degien with" at 2640,4080 h100
  text "I1" at 2273,3045 h40
Top Solder:
  rectangle: 1495,4165 1621.57,4200
  rectangle: 1495,3930 1625,4060
  rectangle: 1615,3930 2085,4200
  rectangle: 1030,3930 1505,4200
  rectangle: 1375,3350 1860,3585
Bottom Solder:
  rectangle: 1025,3260 1365,3717.28
  rectangle: 1025,3712.82 1495,3950
  rectangle: 1375,3350 1860,3585
  rectangle: 1495,4025 1625,4060
  rectangle: 1495,4165 1620,4200
  rectangle: 1615,4025 2110,4200
  rectangle: 1030,3995 1505,4200
  text "北方电子RGB灯带控制器" at 2255,2975 h80